# Altium PCB ESP8266-Deskop_Power_Copy.PcbDoc (part 1 of 2)
Units mm, origin at the board's own origin, x right, y up, seen from the top; angles counter-clockwise.
Board outline 44 x 44 mm, 2 copper layers (Top Layer, Bottom Layer), stack 0.57 mm thick; 64 components, 54 nets, 245 pads, 79 vias.
Unrouted connection lines stored in the file: 27.
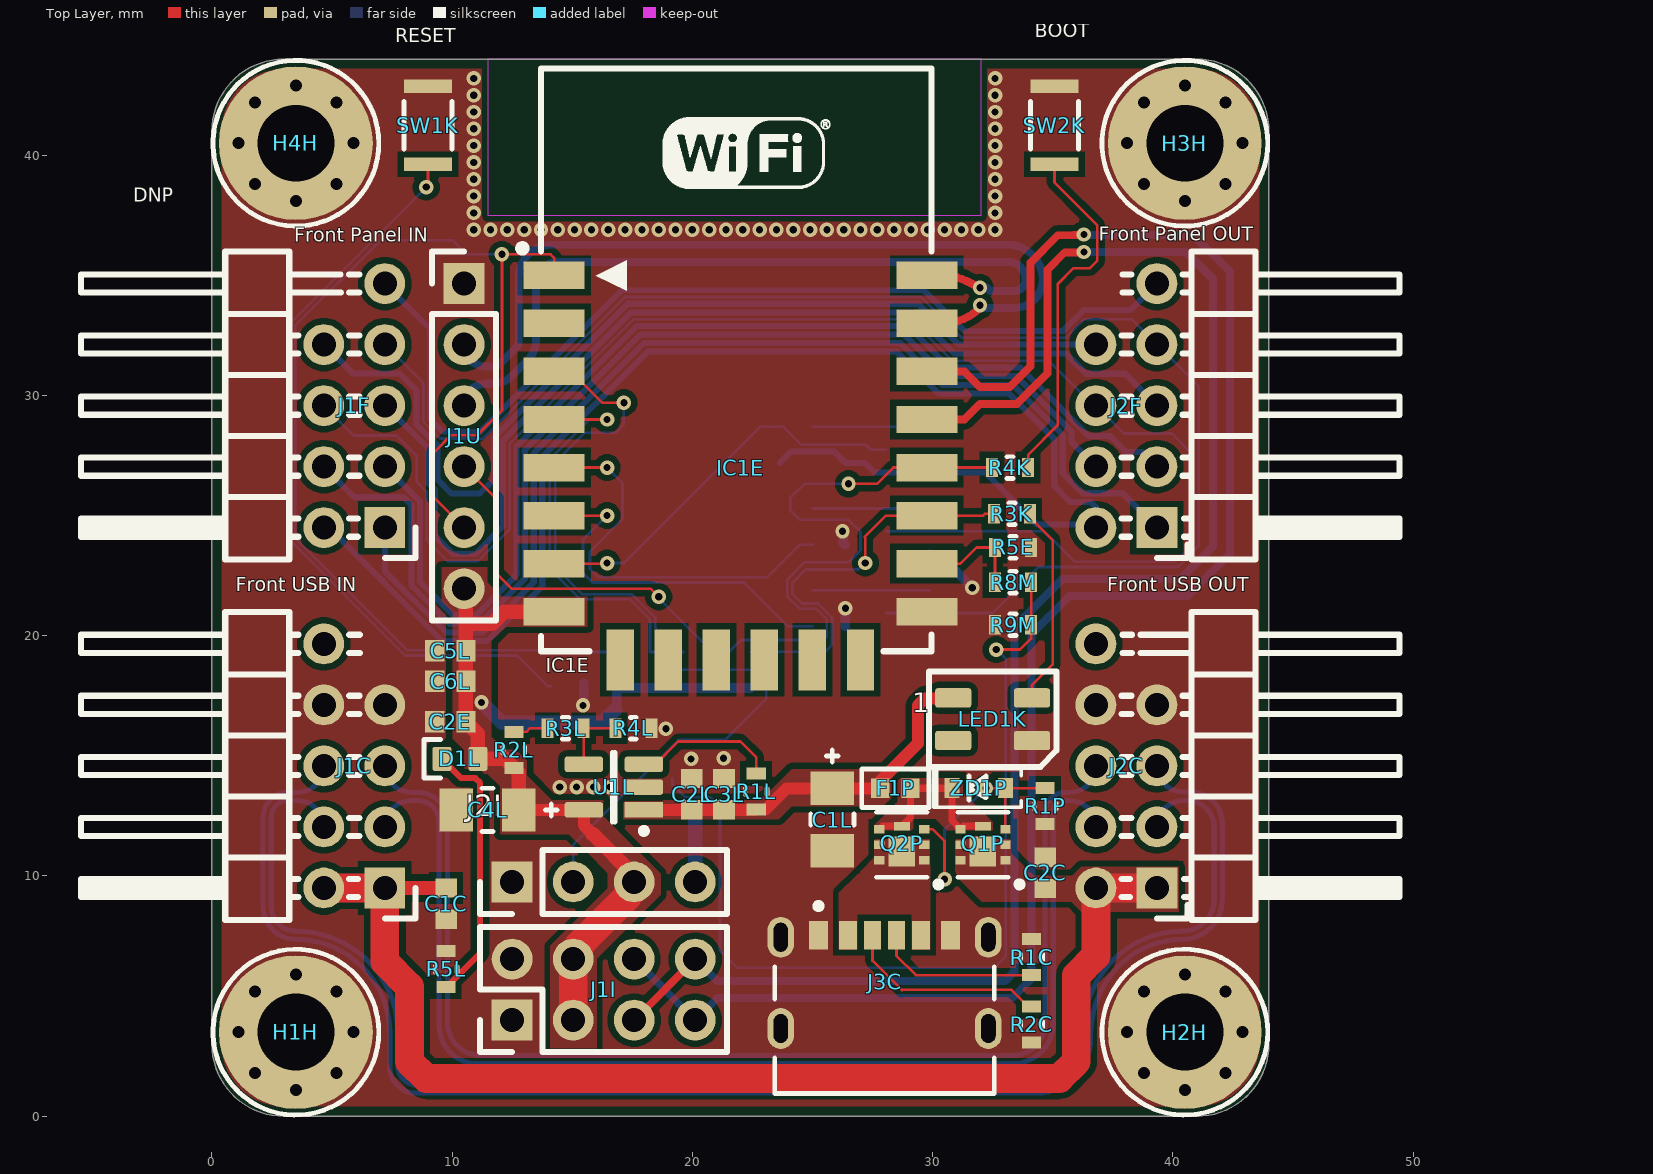
[diagram p0: Top Layer view]
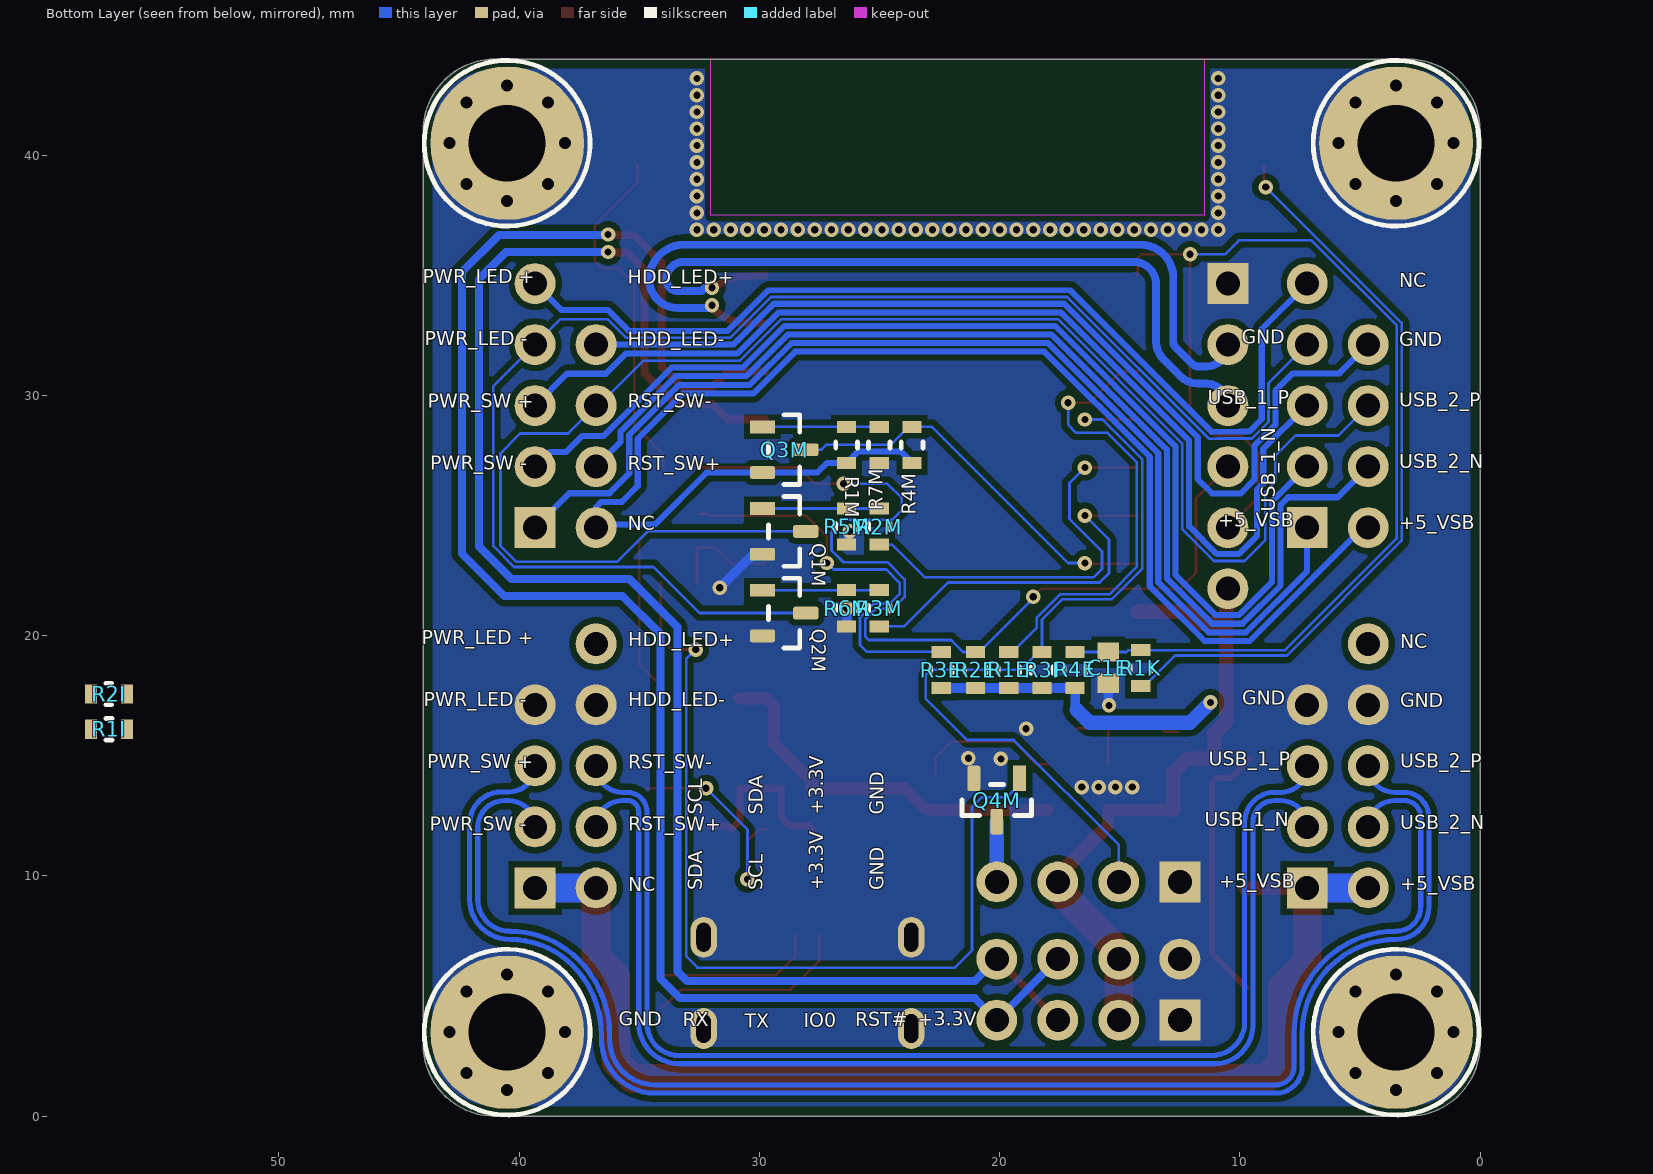
[diagram p1: Bottom Layer view, seen from below]
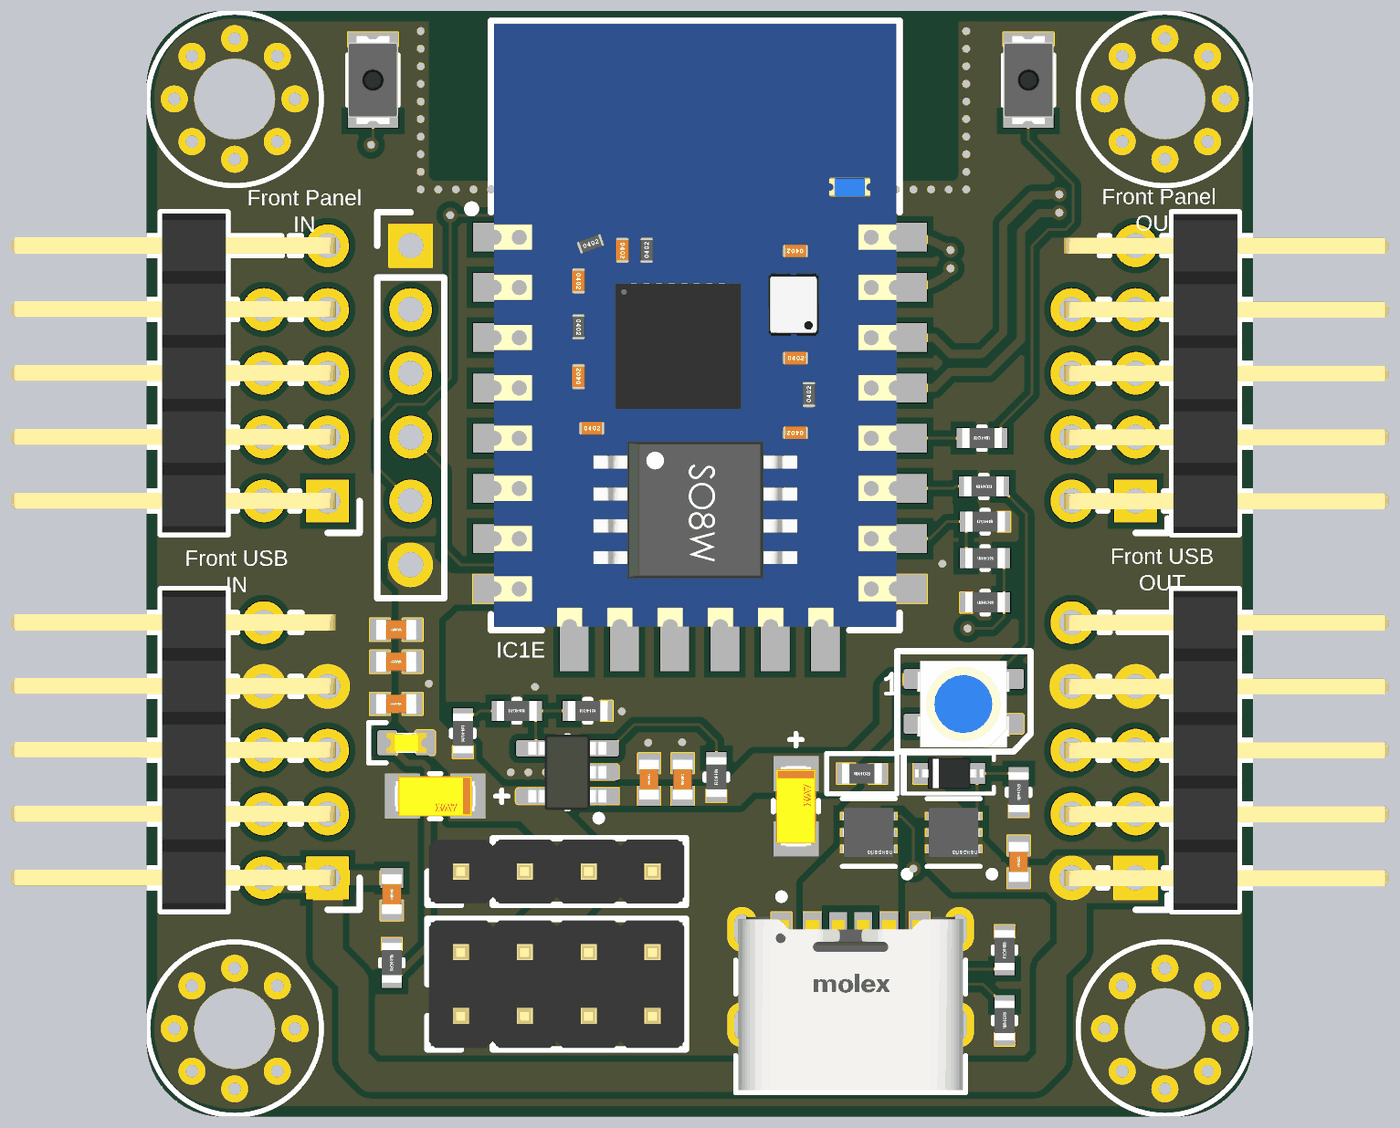
[diagram p3: 3D render of the assembled board from above, using the file's embedded part models]
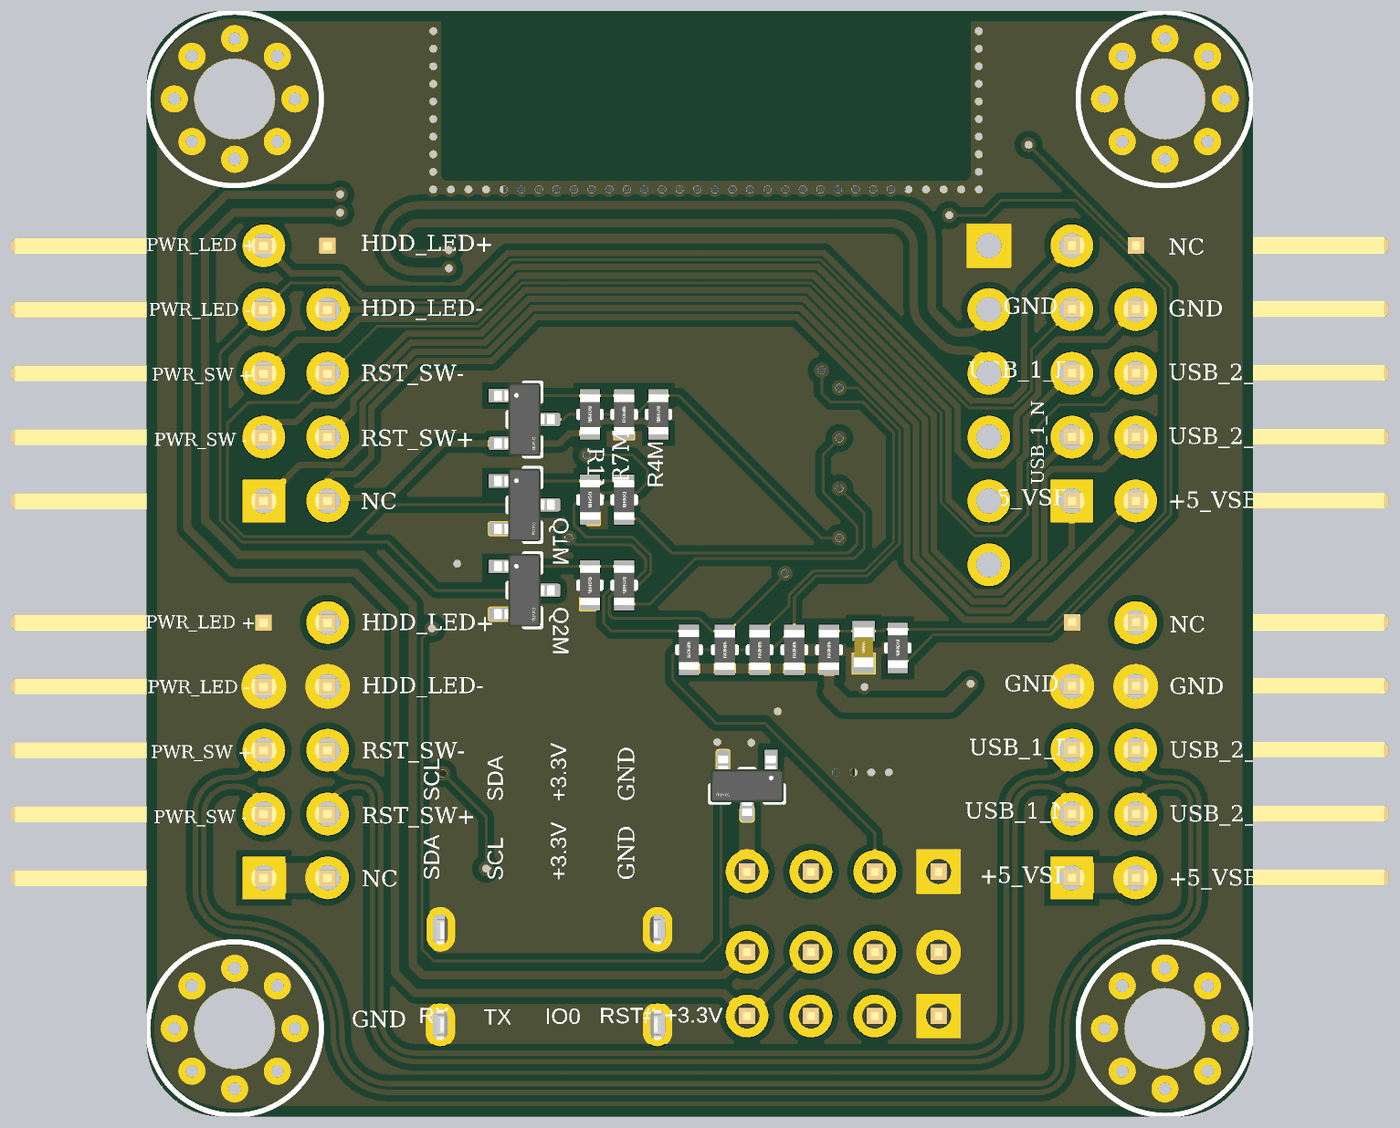
[diagram p4: 3D render of the assembled board from below, using the file's embedded part models]

## Layer stack, top to bottom
Top Solder: solder mask 0.0152, Solder Resist, Dk 3.8
Top Layer: signal copper 0.035
Dielectric: core 0.5, FR-4, Dk 4.6
Bottom Layer: signal copper 0.035
Bottom Solder: solder mask 0.0152, Solder Resist, Dk 3.8

## Board outline
0,3 0,41 cw(c3,41) 3,44 41,44 cw(c41,41) 44,41 44,3 cw(c41,3) 41,0 3,0 cw(c3,3)

## Design rules (kind name [scope] priority, off if disabled: settings)
AcuteAngle [All] p1: minimum=6.00000000000000E+0001 checktracksonly=TRUE
AssemblyTestPointUsage [(not InNetClass('NOTESTPOINTS'))] p1: allowmultiple=TRUE
AssemblyTestPointUsage AssemblyTestPointUsageN [InNetClass('NOTESTPOINTS')] p2: valid=2 allowmultiple=TRUE
AssemblyTestpoint [All] p1: testpointundercomponent=TRUE minsize=1.016 maxsize=2.54 preferedsize=1.524 minholesize=0 maxholesize=1.016 preferedholesize=0.813 testpointgrid=0.025 usegrid=FALSE gridtolerance=0 allowsidetop=TRUE allowsidebottom=TRUE minspacing=2.54
BoardOutlineClearance [(OnLayer('Top Layer') OR OnLayer('Bottom Layer') )] p1: gap=0.4 ignorepadtopadclearanceinfootprint=FALSE except(0.2: Text-OutlineEdge Text-CavityEdge Text-CutoutEdge Text-SplitBarrior Text-SplitContinuation)
Clearance Clearance_PowerRails_HighVoltage_Diff_Net [InNetClass('PowerRails_HighVoltage_AC') Or InNetClass('PowerRails_HighVoltage_DC') vs Not InNetClass('PowerRails_HighVoltage_AC') And Not InNetClass('PowerRails_HighVoltage_DC')] p1: gap=4 ignorepadtopadclearanceinfootprint=TRUE except(0.152: Arc-Text Track-Text SMDPad-Text THPad-Text Via-Text Fill-Text Poly-Text Region-Text Text-Text Text-Hole; 0.2: Arc-Hole Track-Hole SMDPad-Hole THPad-Hole Via-Hole Fill-Hole Poly-Hole Region-Hole)
Clearance Clearance_Via_Plugged [InComponentClass('Via_Plugged') vs IsPad] p2: gap=0.254 ignorepadtopadclearanceinfootprint=TRUE except(0.127: Arc-Arc Arc-Track Arc-SMDPad Arc-THPad Track-Track Track-SMDPad Track-THPad SMDPad-THPad THPad-THPad; 0.152: Arc-Via Arc-Text Track-Via Track-Text SMDPad-SMDPad SMDPad-Via SMDPad-Text THPad-Via THPad-Text Via-Via Via-Text Fill-Text Poly-Text Region-Text Text-Text Text-Hole; 0.2: Arc-Hole Track-Hole SMDPad-Hole THPad-Hole Via-Hole Fill-Hole Poly-Hole Region-Hole)
Clearance Clearance_Diff_Net [All] p3: gap=0.254 ignorepadtopadclearanceinfootprint=TRUE except(0.102: Arc-Arc Arc-Track Arc-SMDPad Track-Track Track-SMDPad; 0.127: Arc-THPad Arc-Via Track-THPad Track-Via SMDPad-Via THPad-Via Via-Via; 0.152: Arc-Text Track-Text SMDPad-SMDPad SMDPad-THPad SMDPad-Text THPad-THPad THPad-Text Via-Text Fill-Text Poly-Text Region-Text Text-Text Text-Hole; 0.2: Arc-Hole Track-Hole SMDPad-Hole THPad-Hole Via-Hole Fill-Hole Poly-Hole Region-Hole)
ComponentClearance ComponentClearance_NetTie [((ObjectKind = 'Component') And (ComponentType = 'Net Tie')) Or (Footprint = 'StarPoint') Or (Footprint like 'NetTieVia*')] p1: gap=-3.81 collisioncheckmode=3 verticalgap=-3.81 showdistances=TRUE
ComponentClearance [All] p2: gap=0.254 collisioncheckmode=3 verticalgap=0.254 showdistances=TRUE
Creepage Creepage_PowerRails_HighVoltage_Diff_Net [InNetClass('PowerRails_HighVoltage_AC') Or InNetClass('PowerRails_HighVoltage_DC') vs Not InNetClass('PowerRails_HighVoltage_AC') And Not InNetClass('PowerRails_HighVoltage_DC')] p1: checkdistance=4 applytopolygonpour=TRUE
DiffPairsRouting DiffPairsRouting_USB_DATA [InDifferentialPairClass('USB_DATA')] p1: maxlimit=0.127 minlimit=0.127 mostfreqgap=0.127 toplayer_minwidth=0.213 toplayer_maxwidth=0.213 toplayer_prefwidth=0.213 bottomlayer_minwidth=0.213 bottomlayer_maxwidth=0.213 bottomlayer_prefwidth=0.213 impedanceprofiledriven=TRUE maxuncoupledlength=12.7
DiffPairsRouting DiffPairsRouting_UART [InDifferentialPairClass('UART')] p2: maxlimit=0.381 minlimit=0.381 mostfreqgap=0.381 toplayer_minwidth=0.329 toplayer_maxwidth=0.329 toplayer_prefwidth=0.329 bottomlayer_minwidth=0.329 bottomlayer_maxwidth=0.329 bottomlayer_prefwidth=0.329 impedanceprofiledriven=TRUE impedanceprofileid={20B5717B-BFDF-4A8A-8DCD-C8FAAF0DDF99} impedanceprofilevalue=100.000000 maxuncoupledlength=12.7
DiffPairsRouting DiffPairsRouting_I2C [InDifferentialPairClass('I2C')] p3: maxlimit=0.381 minlimit=0.381 mostfreqgap=0.381 toplayer_minwidth=0.329 toplayer_maxwidth=0.329 toplayer_prefwidth=0.329 bottomlayer_minwidth=0.329 bottomlayer_maxwidth=0.329 bottomlayer_prefwidth=0.329 impedanceprofiledriven=TRUE impedanceprofileid={20B5717B-BFDF-4A8A-8DCD-C8FAAF0DDF99} impedanceprofilevalue=100.000000 maxuncoupledlength=12.7
FabricationTestPointUsage [All] p1: valid=2 allowmultiple=FALSE
FabricationTestpoint [All] p1: side=3 testpointundercomponent=TRUE minsize=1.016 maxsize=2.54 preferedsize=1.524 minholesize=0 maxholesize=1.016 preferedholesize=0.813 testpointgrid=0.025 allowsidetop=TRUE allowsidebottom=TRUE usegrid=FALSE gridtolerance=0
Height [All] p1: minheight=0 maxheight=1816.048 prefheight=12.7
HoleSize [All] p1: absolutevalues=TRUE maxlimit=6.3 minlimit=0.3 maxpercent=80.000 minpercent=20.000
HoleToHoleClearance HoleToHoleClearance_Pad [ispad vs IsPad] p1: gap=0.45 allowstackedmicrovias=TRUE
MinimumAnnularRing MinimumAnnularRing_Via [IsVia] p1: minimumring=0.075
MinimumAnnularRing MinimumAnnularRing_PTH [IsThruPin] p2: minimumring=0.2
MinimumSolderMaskSliver [All] p1: minsoldermaskwidth=0.13 // low as 0.1mm or 4mil
PasteMaskExpansion [All] p1: expansion=0 thpadusetoppaste=TRUE thpadusebottompaste=TRUE
PlaneConnect [All] p1: pad.planeconnectstyle=Relief pad.reliefexpansion=0.508 pad.reliefentries=4 pad.reliefconductorwidth=0.254 pad.reliefairgap=0.254 via.planeconnectstyle=Direct via.reliefexpansion=0.3 via.reliefentries=4 via.reliefconductorwidth=0.127 via.reliefairgap=0.127
PolygonConnect PolygonConnect_GND [InNetClass('GND')] p1: connectstyle=Direct reliefconductorwidth=0.254 reliefentries=4 polygonreliefangle="90 Angle" airgapwidth=0.254
PolygonConnect [All] p2: connectstyle=Direct reliefconductorwidth=0.254 reliefentries=4 polygonreliefangle="90 Angle" airgapwidth=0.254
RoutingTopology RoutingTopology_HighVoltage [InNetClass('PowerRails_HighVoltage_AC') Or InNetClass('PowerRails_HighVoltage_DC')] p1: topology=Daisy_Simple
RoutingTopology RoutingTopology_Ultra_High_Speed [InNetClass('Digital_Signal_Ultra_High_Speed') Or InNetClass('Analog_Signal_Ultra_High_Speed')] p2: topology=Daisy_Balanced
RoutingTopology RoutingTopology_High_Speed [InNetClass('Digital_Signal_High_Speed') Or InNetClass('Analog_Signal_High_Speed')] p3: topology=Daisy_Balanced
RoutingTopology RoutingTopology_Medium_Speed [InNetClass('Digital_Signal_Medium_Speed') Or InNetClass('Analog_Signal_Medium_Speed')] p4: topology=Daisy_MidDriven
RoutingTopology RoutingTopology_Low_Speed [InNetClass('Digital_Signal_Low_Speed') Or InNetClass('Analog_Signal_Low_Speed')] p5: topology=Daisy_Simple
RoutingTopology RoutingTopology_LowVoltage_DC [InNetClass('PowerRails_LowVoltage_DC')] p6: topology=Starburst
RoutingTopology RoutingTopology_GND [InNetClass('PowerRails_GND')] p7: topology=Starburst
RoutingVias [All] p1: holewidth=0.3 width=0.6 viastyle="Through Hole" minholewidth=0.3 minwidth=0.45 maxholewidth=0.5 maxwidth=1
SMDEntry [NOT InNetClass('PowerRails_LowVoltage_DC') AND NOT InNetClass('PowerRails_GND') AND NOT IsTestpoint] p1: side=TRUE corner=TRUE anyangle=FALSE
SMDNeckDown [not IsTestpoint and not InNetClass('PowerRails_LowVoltage_DC') and not InNetClass('PowerRails_GND')] p1: percent=90.000
SMDToCorner [All] p1: distance=50000
ShortCircuit [All vs not IsBoardCutoutRegion] p1: allowed=FALSE
SilkToSilkClearance [All] p1: silktosilkclearance=0.102
SilkToSolderMaskClearance [All] p1: minsilkscreentomaskgap=0.15 clearancetoexposedcopper=TRUE
SolderMaskExpansion [All] p1: expansion=0.038 istentingtop=FALSE
SolderMaskExpansion SolderMaskExpansion_To_Holes [All] p2: expansion=0.102 istentingtop=FALSE soldermaskfromhole=TRUE
SupplyNets "Schematic Supply Nets_5" [InNet('+5V_VSB')] p1: voltage=0.000
SupplyNets "Schematic Supply Nets_4" [InNet('+5VALW#')] p2: voltage=0.000
SupplyNets "Schematic Supply Nets_3" [InNet('+5VALW')] p3: voltage=0.000
SupplyNets "Schematic Supply Nets_2" [InNet('GND')] p4: voltage=0.000
SupplyNets "Schematic Supply Nets_1" [InNet('+3VALW')] p5: voltage=0.000
SupplyNets "Schematic Supply Nets" [InNet('+5V_VBUS')] p6: voltage=0.000
UnRoutedNet [All] p1: checkbadconnections=TRUE
ViasUnderSMD [All] p1: allowed=FALSE
Width Width_Signal_50_Ohm [InNetClass('Signal_50_ohm')] p1: maxlimit=0.303 minlimit=0.303 preferedwidth=0.303 impedanceprofiledriven=TRUE impedanceprofileid={320B7733-AEA6-43FB-9DA5-2152A1A902A4} impedanceprofilevalue=50.000000 minimp=50.000000 maximp=50.000000 favimp=50.000000
Width Width_Signal_75_Ohm [InNetClass('Signal_75_ohm')] p2: maxlimit=0.11 minlimit=0.11 preferedwidth=0.11 impedanceprofiledriven=TRUE impedanceprofileid={D2AFA352-6325-4762-920E-D216500F9D0F} impedanceprofilevalue=65.000000 minimp=50.000000 maximp=50.000000 favimp=50.000000
Width Width_Signal [InNetClass('Signal')] p3: maxlimit=0.11 minlimit=0.11 preferedwidth=0.11 impedanceprofiledriven=TRUE impedanceprofileid={D2AFA352-6325-4762-920E-D216500F9D0F} impedanceprofilevalue=65.000000 minimp=50.000000 maximp=50.000000 favimp=50.000000
Width Width_Power_Signal [InNetClass('Power_Signal')] p4: maxlimit=0.4 minlimit=0.18 preferedwidth=0.254
Width Width_Power [InNetClass('PowerRails_LowVoltage_DC')] p5: maxlimit=25.4 minlimit=0.2 preferedwidth=0.3 minimp=50.000000 maximp=50.000000 favimp=50.000000
Width Width_GND [InNetClass('GND')] p6: maxlimit=25.4 minlimit=0.2 preferedwidth=0.3 minimp=50.000000 maximp=50.000000 favimp=50.000000
13 further rules are at their usual default settings.

## Classes and differential pairs
net class PowerRails_LowVoltage_DC: +3VALW +5V_VBUS +5V_VSB +5VALW +5VALW# HDD_LED+ HDD_LED- NC Power_LED PWR_LED+ PWR_LED- PWR_SW- RST_SW-
net class PowerRails_GND: GND Relay_EXT_GND
net class Digital_Signal_Low_Speed: ADC CC1 CC2 EN EN/RST/nRST EN_LDO FB_1 FB_2 GATE_PMOS GPIO2(D4) GPIO6 GPIO7 GPIO8 GPIO9 GPIO10 GPIO11 GPIO12(D6) GPIO13(D7) GPIO14(D5) GPIO15(D8) GPIO16(D0) IO0/GPIO0 NetR1K_2 NetR4K_2 PWR_GATE PWR_SW+ PWR_SW_GATE RELAY_GATE RST_SW+ RST_SW_GATE WS2812B_DATA
differential pair class UART: ESP_UART_0 ESP_UART_0#
component class 6_I2C_Sensors: J1I J2I R1I R2I R3I
component class 8_Front_Pannel_Con: J1F J2F
net class GND: GND Relay_EXT_GND
component class 9_Front_Pannel_USB_Con: C1C C2C J1C J2C J3C R1C R2C
component class 5_Keys_And_Status: LED1K R1K R3K R4K SW1K SW2K
component class 7_Mosfets: Q1M Q2M Q3M Q4M R1M R2M R3M R4M R5M R6M R7M R8M R9M
differential pair class USB_DATA: CH_USB_2.0 CH_USB_2.0# FP_USB_1 FP_USB_1# FP_USB_2 FP_USB_2#
differential pair class I2C: ESP_I2C_0
net class Power_Signal: HDD_LED+ HDD_LED- NC Power_LED PWR_LED+ PWR_LED- PWR_SW- RST_SW-
net class Signal_75_ohm: ADC EN EN/RST/nRST GPIO2(D4) GPIO6 GPIO7 GPIO8 GPIO9 GPIO10 GPIO11 GPIO12(D6) GPIO13(D7) GPIO14(D5) GPIO15(D8) GPIO16(D0) IO0/GPIO0 NetR1K_2 NetR4K_2 PWR_SW+ RST_SW+ WS2812B_DATA
component class 10_MountingHoles: H1H H2H H3H H4H
component class 4_UART: J1U
component class 3_ESP8266_Core: C1E C2E IC1E IC? R1E R2E R3E R4E R5E
component class 2_LDO: C1L C2L C3L C4L C5L C6L D1L R1L R2L R3L R4L R5L U1L
component class 1_Power_Path: F1P Q1P Q2P R1P ZD1P
net class Signal: CC1 CC2 EN_LDO FB_1 FB_2 GATE_PMOS PWR_GATE PWR_SW_GATE RELAY_GATE RST_SW_GATE
net class Power: +3VALW +5V_VBUS +5V_VSB +5VALW +5VALW# HDD_LED+ HDD_LED- NC Power_LED PWR_LED+ PWR_LED- PWR_SW- RST_SW-
differential pair ESP_UART_0: +ESP_UART_0_P -ESP_UART_0_N
differential pair FP_USB_2: +FP_USB_2_P -FP_USB_2_N
differential pair FP_USB_1: +FP_USB_1_P -FP_USB_1_N
differential pair ESP_I2C_0: +ESP_I2C_0_P -ESP_I2C_0_N
